# Altium PCB Mother  Board 3D.PcbDoc (part 1 of 4) (continued)
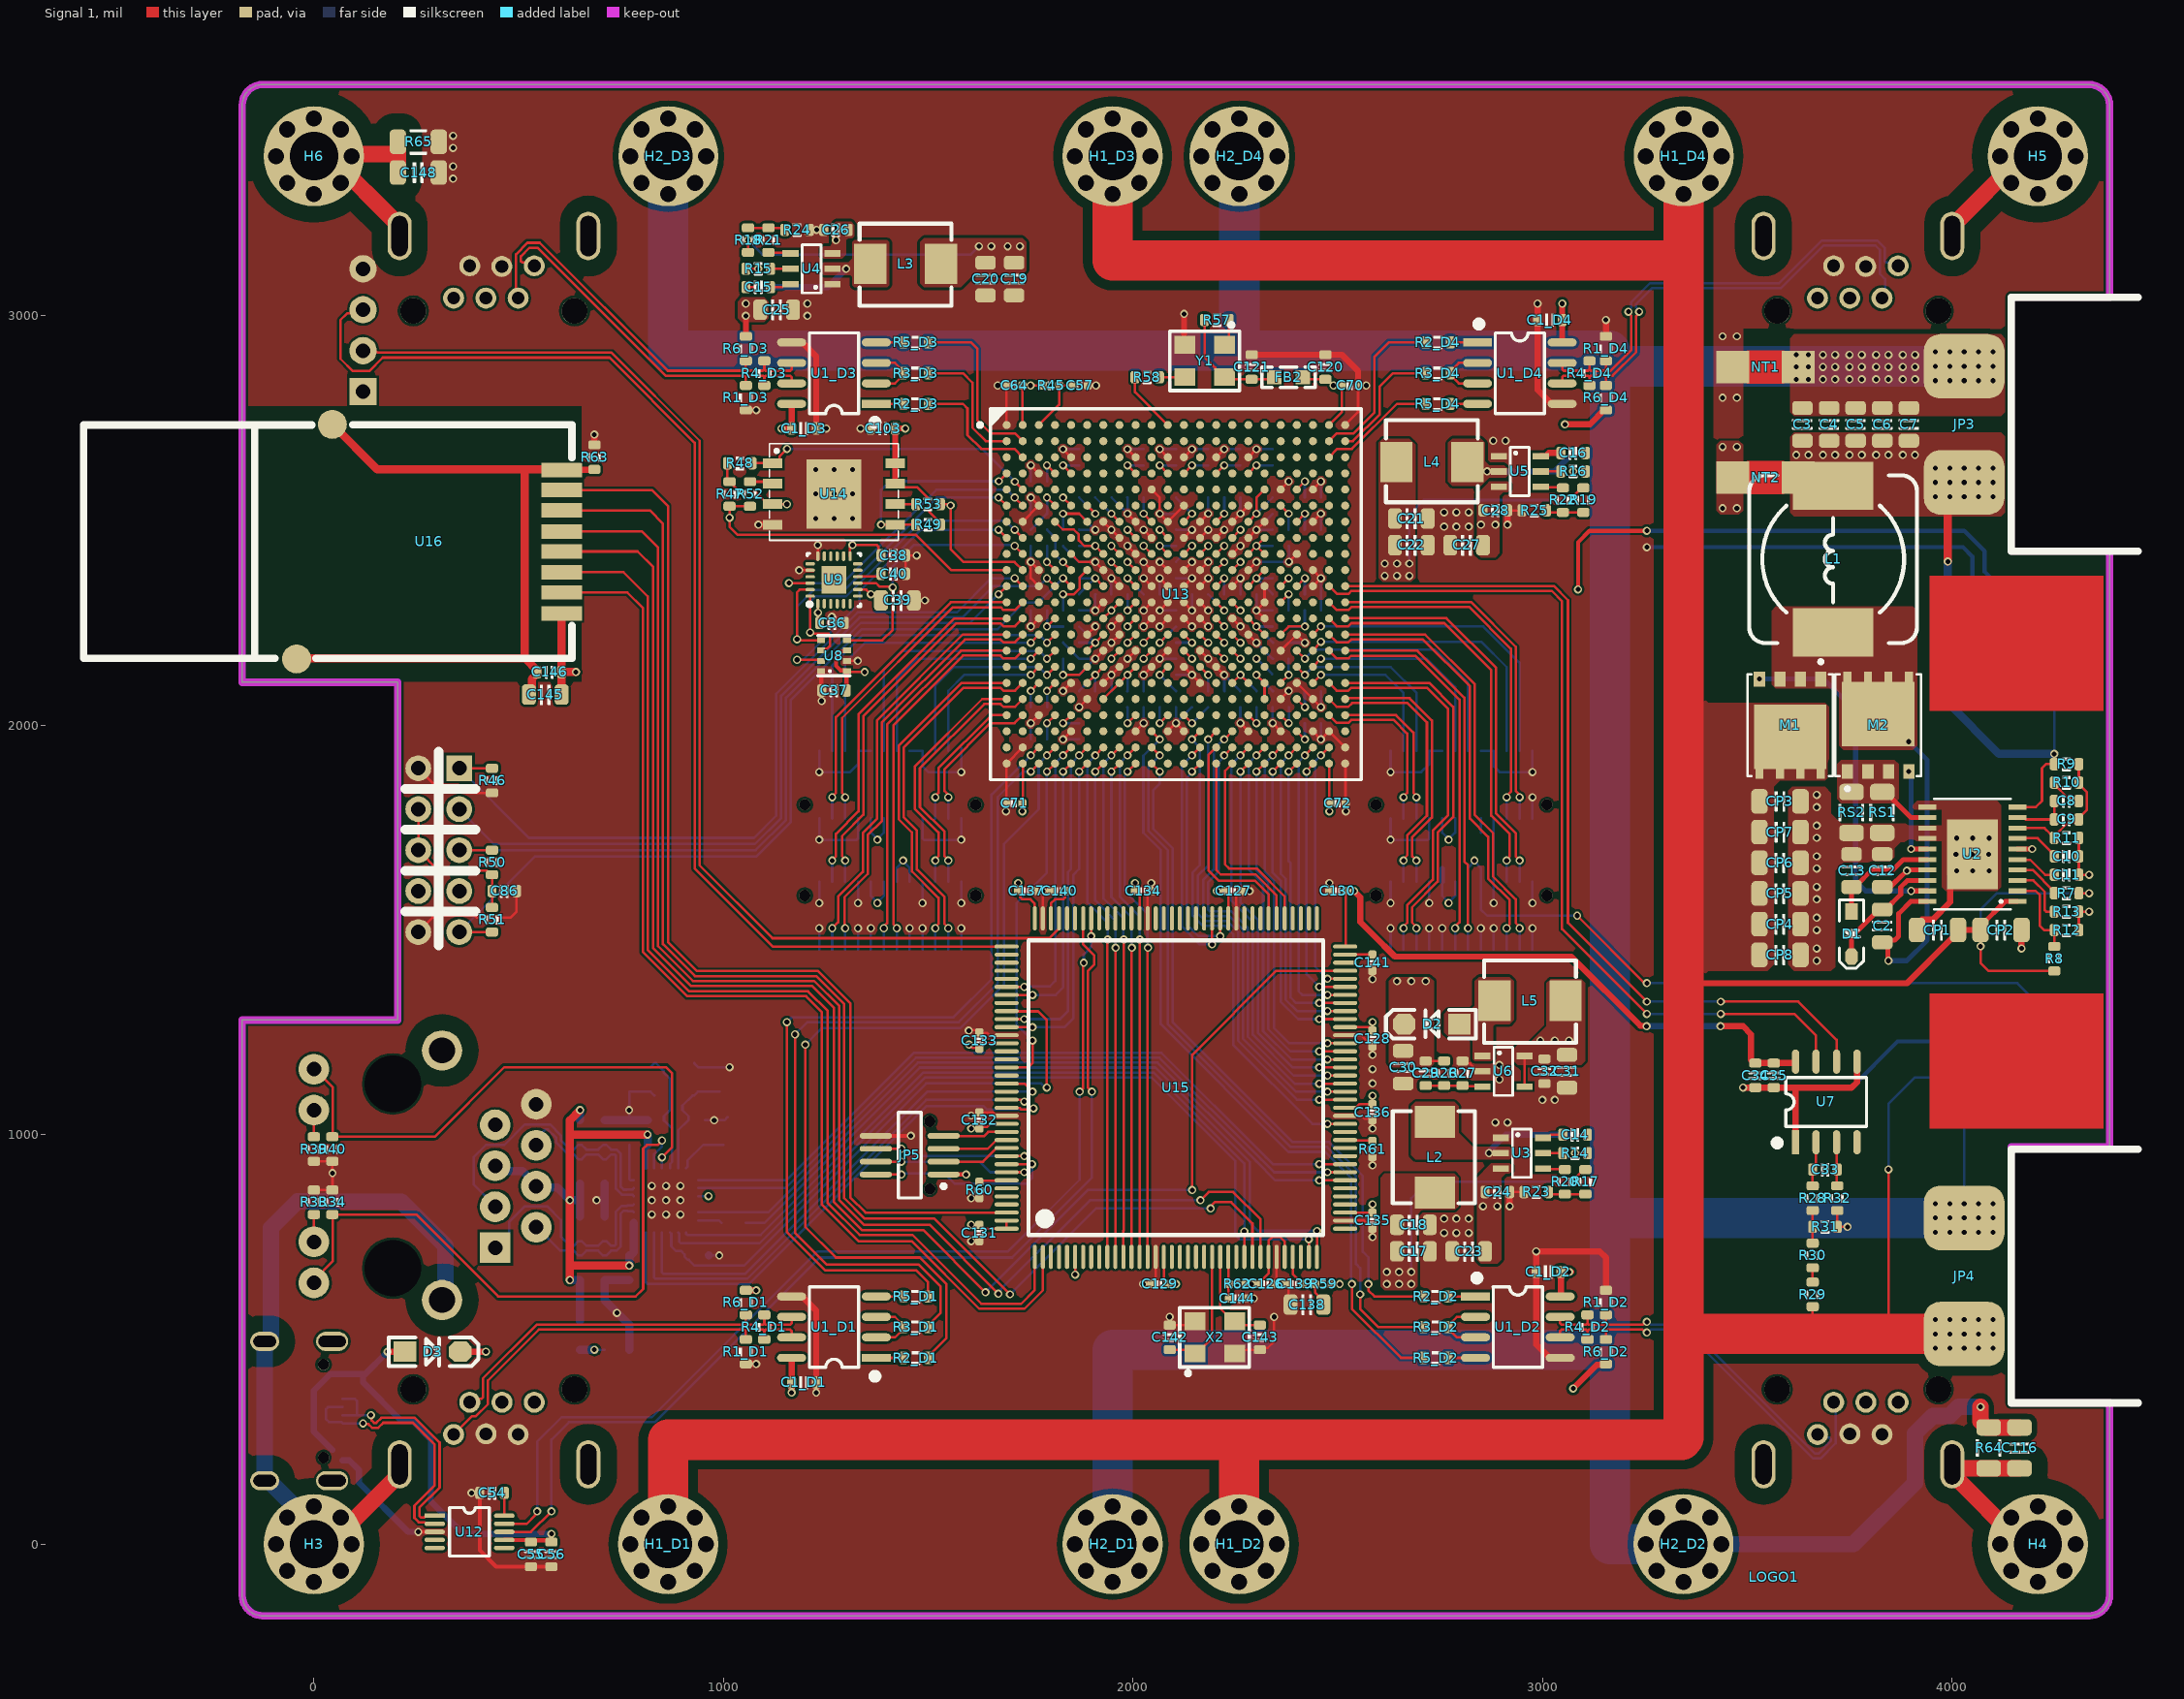
[diagram p0: Signal 1 view]
## Components (designator, comment, footprint, x,y, rotation, side; value= is the part's Value field where it differs from the comment) (continued)
H2_D2 "HOLE" "定位孔 Φ3 1" 3344.58,0 r0 top (schematic designator H2)
H2_D3 "HOLE" "定位孔 Φ3 1" 865.42,3390 r180 top (schematic designator H2)
H2_D4 "HOLE" "定位孔 Φ3 1" 2260,3390 r180 top (schematic designator H2)
H3 "HOLE" "定位孔 Φ3 1" 0,0 r0 top
H4 "HOLE" "定位孔 Φ3 1" 4210,0 r0 top
H5 "HOLE" "定位孔 Φ3 1" 4210,3390 r0 top
H6 "HOLE" "定位孔 Φ3 1" 0,3390 r0 top
JP1_D1 "1394-6P" 1394-6P 439.69,195 r180 bottom (schematic designator JP1)
JP1_D2 "1394-6P" 1394-6P 3770.32,195 r180 bottom (schematic designator JP1)
JP1_D3 "1394-6P" 1394-6P 439.68,3195 r0 bottom (schematic designator JP1)
JP1_D4 "1394-6P" 1394-6P 3770.31,3195 r0 bottom (schematic designator JP1)
JP2_D1 "Header 2X11" HEADER_0.8mm_2x12P_M 1407.5,1535 r270 bottom (schematic designator JP2)
JP2_D2 "Header 2X11" HEADER_0.8mm_2x12P_M 2802.5,1535 r270 bottom (schematic designator JP2)
JP2_D3 "Header 2X11" HEADER_0.8mm_2x12P_M 1407.5,1855 r90 bottom (schematic designator JP2)
JP2_D4 "Header 2X11" HEADER_0.8mm_2x12P_M 2802.5,1855 r90 bottom (schematic designator JP2)
JP3 "XT60PM" XT60PM 4030,2735 r270 top
JP4 "XT60PM" XT60PM 4030,655 r270 top
JP5 "Header 4X2" HEARDER_0.8mm_2x4P_G 1455,950 r180 top
JP6 "Header 5X2" "DC2.54-10P - L2" 355,1895 r270 bottom
JP7 "HDR-1X4" XH2.54-4P_H 120,2815 r90 bottom
L1 "4.7uH" "L 1040" 3710,2405.87 r90 top
L2 "4.7uH" "L 0530" 2735,945 r90 top
L3 "3.3uH" "L 0530" 1445,3125 r180 top
L4 "2.2uH" "L 0530" 2730,2645 r0 top
L5 "15uH" "L 0530" 2970,1325 r180 top
LED1 "绿色" "LED 0603G L" 4345,1105 r270 bottom
LED2 "绿色" "LED 0603G L" 4345,1265 r270 bottom
LED3 "绿色" "LED 0603G L" 4350,2120 r270 bottom
LED4 "绿色" "LED 0603G L" 4350,2280 r270 bottom
LOGO1 "LOGO" LOGO 3565,-80 r0 top
M1 "BSC070N10NS5" TDSON-8 3605,2000 r180 top
M2 "BSC070N10NS5" TDSON-8 3820,2000 r0 top
NT1 "Net-Tie" Net-Tie_80mil 3545,2875 r180 top net-tie
NT2 "Net-Tie" Net-Tie_80mil 3545,2605 r180 top net-tie
R1_D1 "1K" R0603 1055,470 r270 top (schematic designator R1)
R1_D2 "1K" R0603 3155,590 r90 top (schematic designator R1)
R1_D3 "1K" R0603 1055,2800 r270 top (schematic designator R1)
R1_D4 "1K" R0603 3155,2920 r90 top (schematic designator R1)
R2_D1 "100Ω" R0603 1470,455 r180 top (schematic designator R2)
R2_D2 "100Ω" R0603 2740,605 r0 top (schematic designator R2)
R2_D3 "100Ω" R0603 1470,2785 r180 top (schematic designator R2)
R2_D4 "100Ω" R0603 2745,2935 r0 top (schematic designator R2)
R3_D1 "100Ω" R0603 1470,530 r180 top (schematic designator R3)
R3_D2 "100Ω" R0603 2740,530 r0 top (schematic designator R3)
R3_D3 "100Ω" R0603 1470,2860 r180 top (schematic designator R3)
R3_D4 "100Ω" R0603 2745,2860 r0 top (schematic designator R3)
R4_D1 "220Ω" R0603 1100,530 r270 top (schematic designator R4)
R4_D2 "220Ω" R0603 3110,530 r90 top (schematic designator R4)
R4_D3 "220Ω" R0603 1100,2860 r270 top (schematic designator R4)
R4_D4 "220Ω" R0603 3115,2860 r90 top (schematic designator R4)
R5_D1 "100Ω" R0603 1470,605 r180 top (schematic designator R5)
R5_D2 "100Ω" R0603 2740,455 r0 top (schematic designator R5)
R5_D3 "100Ω" R0603 1470,2935 r180 top (schematic designator R5)
R5_D4 "100Ω" R0603 2745,2785 r0 top (schematic designator R5)
R6_D1 "1K" R0603 1055,590 r270 top (schematic designator R6)
R6_D2 "1K" R0603 3155,470 r90 top (schematic designator R6)
R6_D3 "1K" R0603 1055,2920 r270 top (schematic designator R6)
R6_D4 "1K" R0603 3155,2800 r90 top (schematic designator R6)
R7 "1M" R0603 4280,1590 r180 top
R8 "200K" R0603 4250,1430 r270 top
R9 "3.74K" R0603 4280,1905 r180 top
R10 "10K" R0603 4280,1860 r180 top
R11 "1.21K" R0603 4280,1725 r0 top
R12 "12K" R0603 4280,1500 r0 top
R13 "12.4K" R0603 4280,1545 r0 top
R14 "100K" R0603 3080,955 r180 top
R15 "100K" R0603 1085,3115 r0 top
R16 "100K" R0603 3075,2620 r180 top
R17 "40.2K" R0603 3105,885 r90 top
R18 "40.2K" R0603 1060,3185 r270 top
R19 "20.5K" R0603 3100,2550 r90 top
R20 "40.2K" R0603 3055,885 r90 top
R21 "59K" R0603 1110,3185 r270 top
R22 "120K" R0603 3050,2550 r90 top
R23 "13K" R0603 2985,860 r180 top
R24 "19.1K" R0603 1180,3210 r0 top
R25 "41.2K" R0603 2980,2525 r180 top
R26 "1.8M" R0603 2760,1150 r270 top
R27 "205K" R0603 2805,1150 r90 top
R28 "12Ω" R0603 3660,845 r90 top
R29 "499K" R0603 3660,610 r270 top
R30 "499K" R0603 3660,705 r270 top
R31 "10K" R0603 3690,775 r180 top
R32 "12Ω" R0603 3720,845 r90 top
R33 "510" R0603 0,835 r270 top
R34 "10K" R0603 45,835 r270 top
R35 "49.9" R0603 649.99,770.18 r90 bottom
R36 "49.9" R0603 649.99,675.18 r270 bottom
R37 "49.9" R0603 649.99,1005.18 r90 bottom
R38 "49.9" R0603 649.99,910.18 r270 bottom
R39 "510" R0603 0,965 r90 top
R40 "10K" R0603 45,965 r90 top
R41 "1M" R0603 884.99,1040.18 r180 bottom
R42 "510" R0603 1025,785 r180 bottom
R43 "10K" R0603 935,705 r0 bottom
R44 "12.1K" R0603 769.99,1005.18 r270 bottom
R45 "10K" R0402 1800,2830 r0 top
R46 "1K" R0603 435,1865 r90 top
R47 "10K" R0603 1015,2565 r270 top
R48 "10K" R0603 1040,2640 r0 top
R49 "10K" R0603 1500,2490 r0 top
R50 "10K" R0603 435,1665 r90 top
R51 "10K" R0603 435,1525 r270 top
R52 "33Ω" R0603 1065,2565 r90 top
R53 "33Ω" R0603 1500,2540 r0 top
R54 "10K" R0402 2380.59,2260.94 r270 bottom
R55 "10K" R0402 1770.35,2477.8 r180 bottom
R56 "10K" R0402 1829.41,2260.94 r270 bottom
R57 "33Ω" R0603 2205,2990 r0 top
R58 "33Ω" R0603 2035,2850 r0 top
R59 "10Ω" R0402 2465,635 r0 top
R60 "10K" R0402 1625,865 r270 top
R61 "10K" R0402 2585,965 r270 top
R62 "10K" R0402 2255,635 r180 top
R63 "0Ω" R0603 685,2655 r90 top
R64 "3.3M" R1206 4090,235 r90 top
R65 "3.3M" R1206 255,3425 r0 top
R66 "47K" R0603 4255,1140 r0 bottom
R67 "10K" R0603 4255,1305 r0 bottom
R68 "2.4K" R0603 4260,2160 r0 bottom
R69 "1K" R0603 4260,2320 r0 bottom
RS1 "20mΩ" R1206 3829.73,1787.04 r90 top
RS2 "20mΩ" R1206 3754.73,1787.04 r90 top
U1_D1 "CA-IF4820" SOP8_N 1270,530 r180 top (schematic designator U1)
U1_D2 "CA-IF4820" SOP8_N 2940,530 r0 top (schematic designator U1)
U1_D3 "CA-IF4820" SOP8_N 1270,2860 r180 top (schematic designator U1)
U1_D4 "CA-IF4820" SOP8_N 2945,2860 r0 top (schematic designator U1)
U2 "LM5116MH" MXA20A_TEX-L 4050,1685 r180 top
U3 "MP1471A" SOT23-6L 2950,955 r270 top
U4 "MP1471A" SOT23-6L 1215,3115 r90 top
U5 "MP1471A" SOT23-6L 2945,2620 r270 top
U6 "TPS61041" SOT23-5L 2905,1155 r270 top
U7 "AMC1035" SOP8_L 3693.27,1080 r90 top
U8 "BMP280" BMP280 1270,2170 r180 top
U9 "MPU9250" "QFN24 3*3" 1270,2355 r90 top
U10 "HR913550a" RJ45-TH_HR913550A 0,638.35 r180 bottom
U11 "LAN8720A" QFN24 860,840 r270 bottom
U12 "CH340E" MSOP10 380,30 r0 top
U13 "EP4CE115F23C8" FBGA484 2105,2320 r0 top
U14 "M25P128" WSON8_8X6_MRN 1270,2565 r0 top
U15 "STM32F407ZET6" "LQFP144 20X20_L" 2105,1115 r90 top
U16 "NRF24L01+" NRF24L01+ 605.2,2273.35 r180 top
USB1 "TYPE-C-16P" USB-C_16P -25,325 r90 bottom
X1 "25M" XTAL-3225 879.99,1135.18 r270 bottom
X2 "8MHz" XTAL-3225 2200,505 r90 top
Y1 "50MHz" XTAL-3225 2175,2890 r270 top

## Footprints (in the part's own frame and the unit in brackets; to place one, negate y for a bottom-side part, rotate by r counter-clockwise, add the part's x,y. Pads: shape width x height; smd on the part's side, far side on the other; paste and mask are expansions set on the pad)
1394-6P [mm]
  round 1.3 hole 0.8: 1(-2.5,3.85) 2(-1.5,1.85) 3(-0.5,3.85) 4(0.49,1.89) 5(1.5,3.85) 6(2.5,1.85)
  oval 1.5x3 hole 1 slot 2.5 at 90 deg: 7(-5.85,0) 8(5.85,0)
  round 1.6 hole 1.6: 9(-5,4.65) 10(5,4.65)
  silkscreen extent -6.75,-10.78 6.75,5.82, body extent -6.75,-10.78 6.75,5.82, height 8.9
BMP280 [mm]
  rect 0.5x0.35 smd: 1(0.8,0.957) 2(0.8,0.325) 3(0.8,-0.325) 4(0.8,-0.957) 5(-0.8,-0.957) 6(-0.8,-0.325) 7(-0.8,0.325) 8(-0.8,0.957)
  silkscreen extent -1,-1.25 1,1.25, body extent -1,-1.25 1,1.25, height 1
C0402 [mil]
  rrect50% 20x20 smd: 1(-20,0) 2(20,0)
  silkscreen extent -7,-9 7,9, body extent -20,-10 20,10, height 20
C0603 [mil]
  rrect50% 22x30 smd: 1(-30,0) 2(30,0)
  silkscreen extent -10,-15 10,15, body extent -31,-16 31,16, height 31
C0805 [mil]
  rrect50% 34x50 smd: 1(-40,0) 2(40,0)
  silkscreen extent -12,-24 12,24, body extent -40,-25 40,25, height 37
C1206 [mil]
  rrect50% 40x60 smd: 1(-50,0) 2(50,0)
  silkscreen extent -12,-24 12,24, body extent -59,-30 59,30, height 59
"DC2.54-10P - L2" [mm] "10P简易牛角座"
  rect 1.6x1.6 hole 0.9: 1(0,0)
  round 1.6 hole 0.9: 2(0,2.54) 3(2.54,0) 4(2.54,2.54) 5(5.08,0) 6(5.08,2.54) 7(7.62,0) 8(7.62,2.54) 9(10.16,0) 10(10.16,2.54)
  silkscreen extent -5.08,-1.27 15.42,13.32, body extent -5.07,-0.34 15.23,13.46, height 6.6
"FB 0603" [mil] "贴片磁珠"
  rect 35x35 smd: 1(-35,0) 2(35,0)
  silkscreen extent -65,-25 65,25, body extent -31,-16 31,16, height 31
FBGA484 [mm] "BGA, 484-Leads, Body 23x23mm, Pitch 1mm"
  round 0.5 smd: A1(-10.5,10.5) A2(-9.5,10.5) A3(-8.5,10.5) A4(-7.5,10.5) A5(-6.5,10.5) A6(-5.5,10.5) A7(-4.5,10.5) A8(-3.5,10.5) A9(-2.5,10.5) A10(-1.5,10.5) A11(-0.5,10.5) A12(0.5,10.5) A13(1.5,10.5) A14(2.5,10.5) A15(3.5,10.5) A16(4.5,10.5) A17(5.5,10.5) A18(6.5,10.5) A19(7.5,10.5) A20(8.5,10.5) A21(9.5,10.5) A22(10.5,10.5) AA1(-10.5,-9.5) AA2(-9.5,-9.5) AA3(-8.5,-9.5) AA4(-7.5,-9.5) AA5(-6.5,-9.5) AA6(-5.5,-9.5) AA7(-4.5,-9.5) AA8(-3.5,-9.5) AA9(-2.5,-9.5) AA10(-1.5,-9.5) AA11(-0.5,-9.5) AA12(0.5,-9.5) AA13(1.5,-9.5) AA14(2.5,-9.5) AA15(3.5,-9.5) AA16(4.5,-9.5) AA17(5.5,-9.5) AA18(6.5,-9.5) AA19(7.5,-9.5) AA20(8.5,-9.5) AA21(9.5,-9.5) AA22(10.5,-9.5) AB1(-10.5,-10.5) AB2(-9.5,-10.5) AB3(-8.5,-10.5) AB4(-7.5,-10.5) AB5(-6.5,-10.5) AB6(-5.5,-10.5) AB7(-4.5,-10.5) AB8(-3.5,-10.5) AB9(-2.5,-10.5) AB10(-1.5,-10.5) AB11(-0.5,-10.5) AB12(0.5,-10.5) AB13(1.5,-10.5) AB14(2.5,-10.5) AB15(3.5,-10.5) AB16(4.5,-10.5) AB17(5.5,-10.5) AB18(6.5,-10.5) AB19(7.5,-10.5) AB20(8.5,-10.5) AB21(9.5,-10.5) AB22(10.5,-10.5) B1(-10.5,9.5) B2(-9.5,9.5) B3(-8.5,9.5) B4(-7.5,9.5) B5(-6.5,9.5) B6(-5.5,9.5) B7(-4.5,9.5) B8(-3.5,9.5) B9(-2.5,9.5) B10(-1.5,9.5) B11(-0.5,9.5) B12(0.5,9.5) B13(1.5,9.5) B14(2.5,9.5) B15(3.5,9.5) B16(4.5,9.5) B17(5.5,9.5) B18(6.5,9.5) B19(7.5,9.5) B20(8.5,9.5) B21(9.5,9.5) B22(10.5,9.5) C1(-10.5,8.5) C2(-9.5,8.5) C3(-8.5,8.5) C4(-7.5,8.5) C5(-6.5,8.5) C6(-5.5,8.5) C7(-4.5,8.5) C8(-3.5,8.5) C9(-2.5,8.5) C10(-1.5,8.5) C11(-0.5,8.5) C12(0.5,8.5) C13(1.5,8.5) C14(2.5,8.5) C15(3.5,8.5) C16(4.5,8.5) C17(5.5,8.5) C18(6.5,8.5) C19(7.5,8.5) C20(8.5,8.5) C21(9.5,8.5) C22(10.5,8.5) D1(-10.5,7.5) D2(-9.5,7.5) D3(-8.5,7.5) D4(-7.5,7.5) D5(-6.5,7.5) D6(-5.5,7.5) D7(-4.5,7.5) D8(-3.5,7.5) D9(-2.5,7.5) D10(-1.5,7.5) D11(-0.5,7.5) D12(0.5,7.5) D13(1.5,7.5) D14(2.5,7.5) D15(3.5,7.5) D16(4.5,7.5) D17(5.5,7.5) D18(6.5,7.5) D19(7.5,7.5) D20(8.5,7.5) D21(9.5,7.5) D22(10.5,7.5) E1(-10.5,6.5) E2(-9.5,6.5) E3(-8.5,6.5) E4(-7.5,6.5) E5(-6.5,6.5) E6(-5.5,6.5) E7(-4.5,6.5) E8(-3.5,6.5) E9(-2.5,6.5) E10(-1.5,6.5) E11(-0.5,6.5) E12(0.5,6.5) E13(1.5,6.5) E14(2.5,6.5) E15(3.5,6.5) E16(4.5,6.5) E17(5.5,6.5) E18(6.5,6.5) E19(7.5,6.5) E20(8.5,6.5) E21(9.5,6.5) E22(10.5,6.5) F1(-10.5,5.5) F2(-9.5,5.5) F3(-8.5,5.5) F4(-7.5,5.5) F5(-6.5,5.5) F6(-5.5,5.5) F7(-4.5,5.5) F8(-3.5,5.5) F9(-2.5,5.5) F10(-1.5,5.5) F11(-0.5,5.5) F12(0.5,5.5) F13(1.5,5.5) F14(2.5,5.5) F15(3.5,5.5) F16(4.5,5.5) F17(5.5,5.5) F18(6.5,5.5) F19(7.5,5.5) F20(8.5,5.5) F21(9.5,5.5) F22(10.5,5.5) G1(-10.5,4.5) G2(-9.5,4.5) G3(-8.5,4.5) G4(-7.5,4.5) G5(-6.5,4.5) G6(-5.5,4.5) G7(-4.5,4.5) G8(-3.5,4.5) G9(-2.5,4.5) G10(-1.5,4.5) G11(-0.5,4.5) G12(0.5,4.5) G13(1.5,4.5) G14(2.5,4.5) G15(3.5,4.5) G16(4.5,4.5) G17(5.5,4.5) G18(6.5,4.5) G19(7.5,4.5) G20(8.5,4.5) G21(9.5,4.5) G22(10.5,4.5) H1(-10.5,3.5) H2(-9.5,3.5) H3(-8.5,3.5) H4(-7.5,3.5) H5(-6.5,3.5) H6(-5.5,3.5) H7(-4.5,3.5) H8(-3.5,3.5) H9(-2.5,3.5) H10(-1.5,3.5) H11(-0.5,3.5) H12(0.5,3.5) H13(1.5,3.5) H14(2.5,3.5) H15(3.5,3.5) H16(4.5,3.5) H17(5.5,3.5) H18(6.5,3.5) H19(7.5,3.5) H20(8.5,3.5) H21(9.5,3.5) H22(10.5,3.5) J1(-10.5,2.5) J2(-9.5,2.5) J3(-8.5,2.5) J4(-7.5,2.5) J5(-6.5,2.5) J6(-5.5,2.5) J7(-4.5,2.5) J8(-3.5,2.5) J9(-2.5,2.5) J10(-1.5,2.5) J11(-0.5,2.5) J12(0.5,2.5) J13(1.5,2.5) J14(2.5,2.5) J15(3.5,2.5) J16(4.5,2.5) J17(5.5,2.5) J18(6.5,2.5) J19(7.5,2.5) J20(8.5,2.5) J21(9.5,2.5) J22(10.5,2.5) K1(-10.5,1.5) K2(-9.5,1.5) K3(-8.5,1.5) K4(-7.5,1.5) K5(-6.5,1.5) K6(-5.5,1.5) K7(-4.5,1.5) K8(-3.5,1.5) K9(-2.5,1.5) K10(-1.5,1.5) K11(-0.5,1.5) K12(0.5,1.5) K13(1.5,1.5) K14(2.5,1.5) K15(3.5,1.5) K16(4.5,1.5) K17(5.5,1.5) K18(6.5,1.5) K19(7.5,1.5) K20(8.5,1.5) K21(9.5,1.5) K22(10.5,1.5) L1(-10.5,0.5) L2(-9.5,0.5) L3(-8.5,0.5) L4(-7.5,0.5) L5(-6.5,0.5) L6(-5.5,0.5) L7(-4.5,0.5) L8(-3.5,0.5) L9(-2.5,0.5) L10(-1.5,0.5) L11(-0.5,0.5) L12(0.5,0.5) L13(1.5,0.5) L14(2.5,0.5) L15(3.5,0.5) L16(4.5,0.5) L17(5.5,0.5) L18(6.5,0.5) L19(7.5,0.5) L20(8.5,0.5) L21(9.5,0.5) L22(10.5,0.5) M1(-10.5,-0.5) M2(-9.5,-0.5) M3(-8.5,-0.5) M4(-7.5,-0.5) M5(-6.5,-0.5) M6(-5.5,-0.5) M7(-4.5,-0.5) M8(-3.5,-0.5) M9(-2.5,-0.5) M10(-1.5,-0.5) M11(-0.5,-0.5) M12(0.5,-0.5) M13(1.5,-0.5) M14(2.5,-0.5) M15(3.5,-0.5) M16(4.5,-0.5) M17(5.5,-0.5) M18(6.5,-0.5) M19(7.5,-0.5) M20(8.5,-0.5) M21(9.5,-0.5) M22(10.5,-0.5) N1(-10.5,-1.5) N2(-9.5,-1.5) N3(-8.5,-1.5) N4(-7.5,-1.5) N5(-6.5,-1.5) N6(-5.5,-1.5) N7(-4.5,-1.5) N8(-3.5,-1.5) N9(-2.5,-1.5) N10(-1.5,-1.5) N11(-0.5,-1.5) N12(0.5,-1.5) N13(1.5,-1.5) N14(2.5,-1.5) N15(3.5,-1.5) N16(4.5,-1.5) N17(5.5,-1.5) N18(6.5,-1.5) N19(7.5,-1.5) N20(8.5,-1.5) N21(9.5,-1.5) N22(10.5,-1.5) P1(-10.5,-2.5) P2(-9.5,-2.5) P3(-8.5,-2.5) P4(-7.5,-2.5) P5(-6.5,-2.5) P6(-5.5,-2.5) P7(-4.5,-2.5) P8(-3.5,-2.5) P9(-2.5,-2.5) P10(-1.5,-2.5) P11(-0.5,-2.5) P12(0.5,-2.5) P13(1.5,-2.5) P14(2.5,-2.5) P15(3.5,-2.5) P16(4.5,-2.5) P17(5.5,-2.5) P18(6.5,-2.5) P19(7.5,-2.5) P20(8.5,-2.5) P21(9.5,-2.5) P22(10.5,-2.5) R1(-10.5,-3.5) R2(-9.5,-3.5) R3(-8.5,-3.5) R4(-7.5,-3.5) R5(-6.5,-3.5) R6(-5.5,-3.5) R7(-4.5,-3.5) R8(-3.5,-3.5) R9(-2.5,-3.5) R10(-1.5,-3.5) R11(-0.5,-3.5) R12(0.5,-3.5) R13(1.5,-3.5) R14(2.5,-3.5) R15(3.5,-3.5) R16(4.5,-3.5) R17(5.5,-3.5) R18(6.5,-3.5) R19(7.5,-3.5) R20(8.5,-3.5) R21(9.5,-3.5) R22(10.5,-3.5) T1(-10.5,-4.5) T2(-9.5,-4.5) T3(-8.5,-4.5) T4(-7.5,-4.5) T5(-6.5,-4.5) T6(-5.5,-4.5) T7(-4.5,-4.5) T8(-3.5,-4.5) T9(-2.5,-4.5) T10(-1.5,-4.5) T11(-0.5,-4.5) T12(0.5,-4.5) T13(1.5,-4.5) T14(2.5,-4.5) T15(3.5,-4.5) T16(4.5,-4.5) T17(5.5,-4.5) T18(6.5,-4.5) T19(7.5,-4.5) T20(8.5,-4.5) T21(9.5,-4.5) T22(10.5,-4.5) U1(-10.5,-5.5) U2(-9.5,-5.5) U3(-8.5,-5.5) U4(-7.5,-5.5) U5(-6.5,-5.5) U6(-5.5,-5.5) U7(-4.5,-5.5) U8(-3.5,-5.5) U9(-2.5,-5.5) U10(-1.5,-5.5) U11(-0.5,-5.5) U12(0.5,-5.5) U13(1.5,-5.5) U14(2.5,-5.5) U15(3.5,-5.5) U16(4.5,-5.5) U17(5.5,-5.5) U18(6.5,-5.5) U19(7.5,-5.5) U20(8.5,-5.5) U21(9.5,-5.5) U22(10.5,-5.5) V1(-10.5,-6.5) V2(-9.5,-6.5) V3(-8.5,-6.5) V4(-7.5,-6.5) V5(-6.5,-6.5) V6(-5.5,-6.5) V7(-4.5,-6.5) V8(-3.5,-6.5) V9(-2.5,-6.5) V10(-1.5,-6.5) V11(-0.5,-6.5) V12(0.5,-6.5) V13(1.5,-6.5) V14(2.5,-6.5) V15(3.5,-6.5) V16(4.5,-6.5) V17(5.5,-6.5) V18(6.5,-6.5) V19(7.5,-6.5) V20(8.5,-6.5) V21(9.5,-6.5) V22(10.5,-6.5) W1(-10.5,-7.5) W2(-9.5,-7.5) W3(-8.5,-7.5) W4(-7.5,-7.5) W5(-6.5,-7.5) W6(-5.5,-7.5) W7(-4.5,-7.5) W8(-3.5,-7.5) W9(-2.5,-7.5) W10(-1.5,-7.5) W11(-0.5,-7.5) W12(0.5,-7.5) W13(1.5,-7.5) W14(2.5,-7.5) W15(3.5,-7.5) W16(4.5,-7.5) W17(5.5,-7.5) W18(6.5,-7.5) W19(7.5,-7.5) W20(8.5,-7.5) W21(9.5,-7.5) W22(10.5,-7.5) Y1(-10.5,-8.5) Y2(-9.5,-8.5) Y3(-8.5,-8.5) Y4(-7.5,-8.5) Y5(-6.5,-8.5) Y6(-5.5,-8.5) Y7(-4.5,-8.5) Y8(-3.5,-8.5) Y9(-2.5,-8.5) Y10(-1.5,-8.5) Y11(-0.5,-8.5) Y12(0.5,-8.5) Y13(1.5,-8.5) Y14(2.5,-8.5) Y15(3.5,-8.5) Y16(4.5,-8.5) Y17(5.5,-8.5) Y18(6.5,-8.5) Y19(7.5,-8.5) Y20(8.5,-8.5) Y21(9.5,-8.5) Y22(10.5,-8.5)
  silkscreen extent -12.27,-11.5 11.5,11.5, body extent -11.5,-11.5 11.5,11.5, height 2.5
HEADER_0.8mm_2x12P_M [mm] "0.8间距2x12P公座，SMD"
  oval 2x0.35 smd: 1(-2.1,4.4) 2(2.1,4.4) 3(-2.1,3.6) 4(2.1,3.6) 5(-2.1,2.8) 6(2.1,2.8) 7(-2.1,2) 8(2.1,2) 9(-2.1,1.2) 10(2.1,1.2) 11(-2.1,0.4) 12(2.1,0.4) 13(-2.1,-0.4) 14(2.1,-0.4) 15(-2.1,-1.2) 16(2.1,-1.2) 17(-2.1,-2) 18(2.1,-2) 19(-2.1,-2.8) 20(2.1,-2.8) 21(-2.1,-3.6) 22(2.1,-3.6) 23(-2.1,-4.4) 24(2.1,-4.4)
  silkscreen extent -2.22,-5.85 0.7,5.85, body extent -2.5,-5.75 2.5,5.75, height 4.1
HEARDER_0.8mm_2x4P_G [mm] "0.8间距2x4P公座，SMD"
  oval 2x0.35 smd: 1(-2.1,1.2) 2(2.1,1.2) 3(-2.1,0.4) 4(2.1,0.4) 5(-2.1,-0.4) 6(2.1,-0.4) 7(-2.1,-1.2) 8(2.1,-1.2)
  silkscreen extent -2.23,-2.65 0.7,2.65, body extent -2.49,-2.53 2.47,2.57, height 6
"L 0530" [mm]
  rect 2x2.5 smd: 1(-2.2,-0.059) 2(2.2,-0.059)
  silkscreen extent -2.85,-2.55 2.85,2.55, body extent -2.8,-2.55 2.8,2.45, height 3
"L 1040" [mm] "10*10*4mm（长宽高）"
  rect 3x5 smd: 1(-4.55,0) 2(4.55,0)
  silkscreen extent -5.2,-5.2 5.2,5.2, body extent -5.2,-5 5.2,5, height 4
"LED 0603G L" [mm] "绿色0603LED侧"
  rect 1x1 smd: A(-0.95,0) K(0.95,0)
  silkscreen extent -1.78,-0.89 2.16,0.89, body extent -0.81,-0.78 0.81,0.38, height 0.6
LOGO [mil]
"LQFP144 20X20_L" [mm] "144脚，体宽20x20mm，脚距0.5mm"
  oval 1.5x0.25 smd: 1(-10.5,8.752) 2(-10.5,8.252) 3(-10.5,7.752) 4(-10.5,7.252) 5(-10.5,6.752) 6(-10.5,6.252) 7(-10.5,5.752) 8(-10.5,5.252) 9(-10.5,4.752) 10(-10.5,4.252) 11(-10.5,3.752) 12(-10.5,3.252) 13(-10.5,2.752) 14(-10.5,2.252) 15(-10.5,1.752) 16(-10.5,1.252) 17(-10.5,0.752) 18(-10.5,0.252) 19(-10.5,-0.248) 20(-10.5,-0.748) 21(-10.5,-1.248) 22(-10.5,-1.748) 23(-10.5,-2.248) 24(-10.5,-2.748) 25(-10.5,-3.248) 26(-10.5,-3.748) 27(-10.5,-4.248) 28(-10.5,-4.748) 29(-10.5,-5.248) 30(-10.5,-5.748) 31(-10.5,-6.248) 32(-10.5,-6.748) 33(-10.5,-7.248) 34(-10.5,-7.748) 35(-10.5,-8.248) 36(-10.5,-8.748) 73(10.5,-8.748) 74(10.5,-8.248) 75(10.5,-7.748) 76(10.5,-7.248) 77(10.5,-6.748) 78(10.5,-6.248) 79(10.5,-5.748) 80(10.5,-5.248) 81(10.5,-4.748) 82(10.5,-4.248) 83(10.5,-3.748) 84(10.5,-3.248) 85(10.5,-2.748) 86(10.5,-2.248) 87(10.5,-1.748) 88(10.5,-1.248) 89(10.5,-0.748) 90(10.5,-0.248) 91(10.5,0.252) 92(10.5,0.752) 93(10.5,1.252) 94(10.5,1.752) 95(10.5,2.252) 96(10.5,2.752) 97(10.5,3.252) 98(10.5,3.752) 99(10.5,4.252) 100(10.5,4.752) 101(10.5,5.252) 102(10.5,5.752) 103(10.5,6.252) 104(10.5,6.752) 105(10.5,7.252) 106(10.5,7.752) 107(10.5,8.252) 108(10.5,8.752)
  oval 0.25x1.5 smd: 37(-8.75,-10.498) 38(-8.25,-10.498) 39(-7.75,-10.498) 40(-7.25,-10.498) 41(-6.75,-10.498) 42(-6.25,-10.498) 43(-5.75,-10.498) 44(-5.25,-10.498) 45(-4.75,-10.498) 46(-4.25,-10.498) 47(-3.75,-10.498) 48(-3.25,-10.498) 49(-2.75,-10.498) 50(-2.25,-10.498) 51(-1.75,-10.498) 52(-1.25,-10.498) 53(-0.75,-10.498) 54(-0.25,-10.498) 55(0.25,-10.498) 56(0.75,-10.498) 57(1.25,-10.498) 58(1.75,-10.498) 59(2.25,-10.498) 60(2.75,-10.498) 61(3.25,-10.498) 62(3.75,-10.498) 63(4.25,-10.498) 64(4.75,-10.498) 65(5.25,-10.498) 66(5.75,-10.498) 67(6.25,-10.498) 68(6.75,-10.498) 69(7.25,-10.498) 70(7.75,-10.498) 71(8.25,-10.498) 72(8.75,-10.498) 109(8.75,10.502) 110(8.25,10.502) 111(7.75,10.502) 112(7.25,10.502) 113(6.75,10.502) 114(6.25,10.502) 115(5.75,10.502) 116(5.25,10.502) 117(4.75,10.502) 118(4.25,10.502) 119(3.75,10.502) 120(3.25,10.502) 121(2.75,10.502) 122(2.25,10.502) 123(1.75,10.502) 124(1.25,10.502) 125(0.75,10.502) 126(0.25,10.502) 127(-0.25,10.502) 128(-0.75,10.502) 129(-1.25,10.502) 130(-1.75,10.502) 131(-2.25,10.502) 132(-2.75,10.502) 133(-3.25,10.502) 134(-3.75,10.502) 135(-4.25,10.502) 136(-4.75,10.502) 137(-5.25,10.502) 138(-5.75,10.502) 139(-6.25,10.502) 140(-6.75,10.502) 141(-7.25,10.502) 142(-7.75,10.502) 143(-8.25,10.502) 144(-8.75,10.502)
  silkscreen extent -9.15,-9.14 9.14,9.15, body extent -11,-11 11,11, height 1.45
MSOP10 [mil]
  rect 50x11 smd: 1(-85,39.37)
  oval 50x11 smd: 2(-85,19.69) 3(-85,0) 4(-85,-19.69) 5(-85,-39.37) 6(85,-39.37) 7(85,-19.68) 8(85,0) 9(85,19.69) 10(85,39.37)
  silkscreen extent -48,-59 48,59, body extent -99,-59 99,59, height 41
MXA20A_TEX-L [mil]
  rect 44x12 smd: 1(-110,115.16) 2(-110,89.57) 3(-110,63.98) 4(-110,38.39) 5(-110,12.8) 6(-110,-12.8) 7(-110,-38.39) 8(-110,-63.98) 9(-110,-89.57) 10(-110,-115.16) 11(110,-115.16) 12(110,-89.57) 13(110,-63.98) 14(110,-38.39) 15(110,-12.8) 16(110,12.8) 17(110,38.39) 18(110,63.98) 19(110,89.57) 20(110,115.16)
  rect 124x171 smd: 21(0,0)
  silkscreen extent -94,-135 94,135, body extent -126,-130 126,130, height 43
Net-Tie_80mil [mil]
  rect 80x80 smd paste-5 mask-40: 1(-80,0) 2(80,0)
  Signal 1 region: -45,40 45,40 45,-40 -45,-40
NRF24L01+ [mm]
  rect 2.5x0.9 smd: 1(0,0) 2(0,-1.3) 3(0,-2.553) 4(0,-3.84) 5(0,-5.085) 6(0,-6.386) 7(0,-7.645) 8(0,-8.898)
  round 1.8 smd: 9(16.443,2.826) 10(14.229,-11.726)
  silkscreen extent -0.63,-11.71 29.66,2.79, body extent -0.76,-11.68 29.72,2.79, height 2
QFN24 [mm]
  rect 0.8x0.3 smd: 1(-2,1.25) 2(-2,0.75) 3(-2,0.25) 4(-2,-0.25) 5(-2,-0.75) 6(-2,-1.25) 13(2,-1.25) 14(2,-0.75) 15(2,-0.25) 16(2,0.25) 17(2,0.75) 18(2,1.25)
  rect 0.3x0.8 smd: 7(-1.25,-2) 8(-0.75,-2) 9(-0.25,-2) 10(0.25,-2) 11(0.75,-2) 12(1.25,-2) 19(1.25,2) 20(0.75,2) 21(0.25,2) 22(-0.25,2) 23(-0.75,2) 24(-1.25,2)
  rect 2.6x2.6 smd: 25(0.005,0)
  silkscreen extent -2.32,-2.32 2.32,2.32, body extent -2.01,-2.01 2.01,2.01, height 1
"QFN24 3*3" [mm] "QFN, 24-Leads, Body 3.00x3.00mm, Pitch 0.40mm, Thermal Pad 1.54x1.70mm, IPC Medium Density"
  oval 0.6x0.2 smd: 1(-1.475,1) 2(-1.475,0.6) 3(-1.475,0.2) 4(-1.475,-0.2) 5(-1.475,-0.6) 6(-1.475,-1) 13(1.475,-1) 14(1.475,-0.6) 15(1.475,-0.2) 16(1.475,0.2) 17(1.475,0.6) 18(1.475,1)
  oval 0.2x0.6 smd: 7(-1,-1.475) 8(-0.6,-1.475) 9(-0.2,-1.475) 10(0.2,-1.475) 11(0.6,-1.475) 12(1,-1.475) 19(1,1.475) 20(0.6,1.475) 21(0.2,1.475) 22(-0.2,1.475) 23(-0.6,1.475) 24(-1,1.475)
  rect 1.7x1.54 smd: 25(0,0)
  silkscreen extent -1.65,-1.65 1.65,1.65, body extent -1.51,-1.51 1.51,1.51, height 1.03
R0402 [mil]
  rrect50% 20x20 smd: 1(-20,0) 2(20,0)
  silkscreen extent -6,-10 6,10, body extent -20,-10 20,10, height 14
R0603 [mil]
  rrect50% 22x30 smd: 1(-30,0) 2(30,0)
  silkscreen extent -10,-16 10,16, body extent -31,-16 31,16, height 18
R1206 [mil]
  rrect50% 40x60 smd: 1(-50,0) 2(50,0)
  silkscreen extent -20,-30 20,30, body extent -61,-31 61,31, height 19
RJ45-TH_HR913550A [mil] "网线接口"
  rect 75x75 hole 35.43: 1(-442.91,85.83)
  round 75 hole 35.43: 2(-542.91,135.83) 3(-442.91,185.83) 4(-542.91,235.83) 5(-442.91,285.83) 6(-542.91,335.83) 7(-442.91,385.83) 8(-542.91,435.83) 9(0,0) 10(0,100) 11(0,421.65) 12(0,521.65)
  round 98.43 hole 62.99: 13(-312.99,-42.13) 14(-312.99,567.32)
  round 130 hole 137.8: 15(-192.91,35.83) 16(-192.91,485.83)
  silkscreen extent -608,-54 222,576, body extent -605,-53 237,572, height 59
SOD-123 [mil] "2.7x1.6X1.1mm（长宽高，不包括引脚）"
  rect 55x50 smd: A(-67.5,0)
  oct 55x50 smd: K(67.5,0)
  silkscreen extent -108,-35 112,35, body extent -73,-31 73,31, height 48
SOD-323 [mm] "1.8x1.3X0.9mm（长宽高，不包括引脚）"
  rect 1x0.8 smd: A(-1.4,0)
  oct 1x0.8 smd: K(1.4,0)
  silkscreen extent -2.11,-0.76 2.11,0.76, body extent -1.34,-0.63 1.31,0.67, height 1
SOP8_L [mm] "5*6*1.8mm（长宽高）"
  rect 1.5x0.45 smd: 1(-2.5,1.905)
  oval 1.5x0.45 smd: 2(-2.5,0.635) 3(-2.5,-0.635) 4(-2.5,-1.905) 5(2.5,-1.905) 6(2.5,-0.635) 7(2.5,0.635) 8(2.5,1.905)
  silkscreen extent -2.69,-2.5 1.52,3.2, body extent -3,-2.5 3,2.5, height 1.9
SOP8_N [mm] "5*6*1.8mm（长宽高）"
  rect 1.8x0.5 smd: 1(-2.625,1.905)
  oval 1.8x0.5 smd: 2(-2.625,0.635) 3(-2.625,-0.635) 4(-2.625,-1.905) 5(2.625,-1.905) 6(2.625,-0.635) 7(2.625,0.635) 8(2.625,1.905)
  silkscreen extent -2.69,-2.5 1.52,3.2, body extent -3,-2.5 3,2.5, height 1.9
SOT23-5L [mm]
  rect 0.4x1 smd: 1(-0.95,-1.3) 2(0,-1.3) 3(0.95,-1.3) 4(0.95,1.3) 5(-0.95,1.3)
  silkscreen extent -1.5,-0.58 1.5,0.58, body extent -1.45,-1.4 1.45,1.4, height 1.09
SOT23-6L [mm] "SOT23, 6-Leads, Body 2.9x1.6mm, Pitch 0.95mm, Lead Span 2.7mm, IPC High Density"
  rect 0.4x1 smd: 1(-0.95,-1.3) 2(0,-1.3) 3(0.95,-1.3) 4(0.95,1.3) 5(0,1.3) 6(-0.95,1.3)
  silkscreen extent -1.5,-0.58 1.5,0.58, body extent -1.5,-1.5 1.5,1.5, height 1.55
TDSON-8 [mm]
  rect 0.5x0.925 smd: D(-1.905,2.865) D(-0.635,2.865) D(0.635,2.865) D(1.905,2.865)
  rect 4.5x4 smd: D(0,0.705)
  rect 0.7x0.925 smd: G(1.905,-2.865) S(-1.905,-2.865) S(-0.635,-2.865) S(0.635,-2.865)
  silkscreen extent -2.65,-4.05 2.65,3.15, body extent -2.57,-3.07 2.58,3.08, height 1.1
USB-C_16P [mm]
  oval 1.2x2 hole 0.7 slot 1.7 at 90 deg: 1(-4.32,1.765) 2(4.32,1.765)
  oval 1.2x1.8 hole 0.7 slot 1.4 at 90 deg: 3(-4.32,-2.415) 4(4.32,-2.415)
  rect 0.3x1.3 smd: A1(-3.35,2.415) A4(-2.55,2.415) A5(-1.25,2.415) A6(-0.25,2.415) A7(0.25,2.415) A8(1.25,2.415) A9(2.55,2.415) A12(3.35,2.415) B1(3.05,2.415) B4(2.25,2.415) B5(1.75,2.415) B6(0.75,2.415) B7(-0.75,2.415) B8(-1.75,2.415) B9(-2.25,2.415) B12(-3.05,2.415)
  round 0.7 hole 0.7 unplated: ""(-2.89,1.235) ""(2.89,1.235)
  silkscreen extent -4.57,-5.08 4.57,0.57, body extent -4.79,-5.08 4.79,2.63, height 3.25
WSON8_8X6_MRN [mm]
  rect 1.2x0.6 smd: 1(-3.8,1.905) 2(-3.8,0.635) 3(-3.8,-0.635) 4(-3.8,-1.905) 5(3.8,-1.905) 6(3.8,-0.635) 7(3.8,0.635) 8(3.8,1.905)
  rect 3.4x4.3 smd: 9(0,0)
  silkscreen extent -4,-2.87 4,3.13, body extent -4,-2.92 4,3.08, height 0.81
XH2.54-4P_H [mm] "接插件，4P"
  rect 1.7x1.7 hole 0.9: 1(0,0)
  round 1.7 hole 0.9: 2(2.54,0) 3(5.08,0) 4(7.62,0)
  silkscreen extent -2.72,-7.53 10.16,0, body extent -2.5,-7.35 10.12,0.35, height 5.73
XT60PM [mm]
  rrect50% 4x5 smd: 1(-3.6,0) 2(3.6,0)
  rrect50% 4x5 smd far side: 1(-3.6,0) 2(3.6,0)
  silkscreen extent -7.87,2.92 7.87,10.8, body extent -9.25,0.51 9.25,14.21, height 3.45
XTAL-3225 [mil]
  rect 43.31x51.18 smd: 1(-39.5,48.5) 2(-39.5,-48.5) 3(39.5,-48.5) 4(39.5,48.5)
  silkscreen extent -92,-85 73,86, body extent -51,-62 48,63, height 31
"定位孔 Φ3 1" [mm]
  round 1 hole 1: 1(-2.35,0) 1(-1.662,-1.662) 1(-1.662,1.662) 1(0,-2.35) 1(0,2.35) 1(1.662,-1.662) 1(1.662,1.662) 1(2.35,0)
  round 6.2 hole 3: 1(0,0)